# Altium PCB P1.1-worcv.PcbDoc (part 1 of 2) (continued)
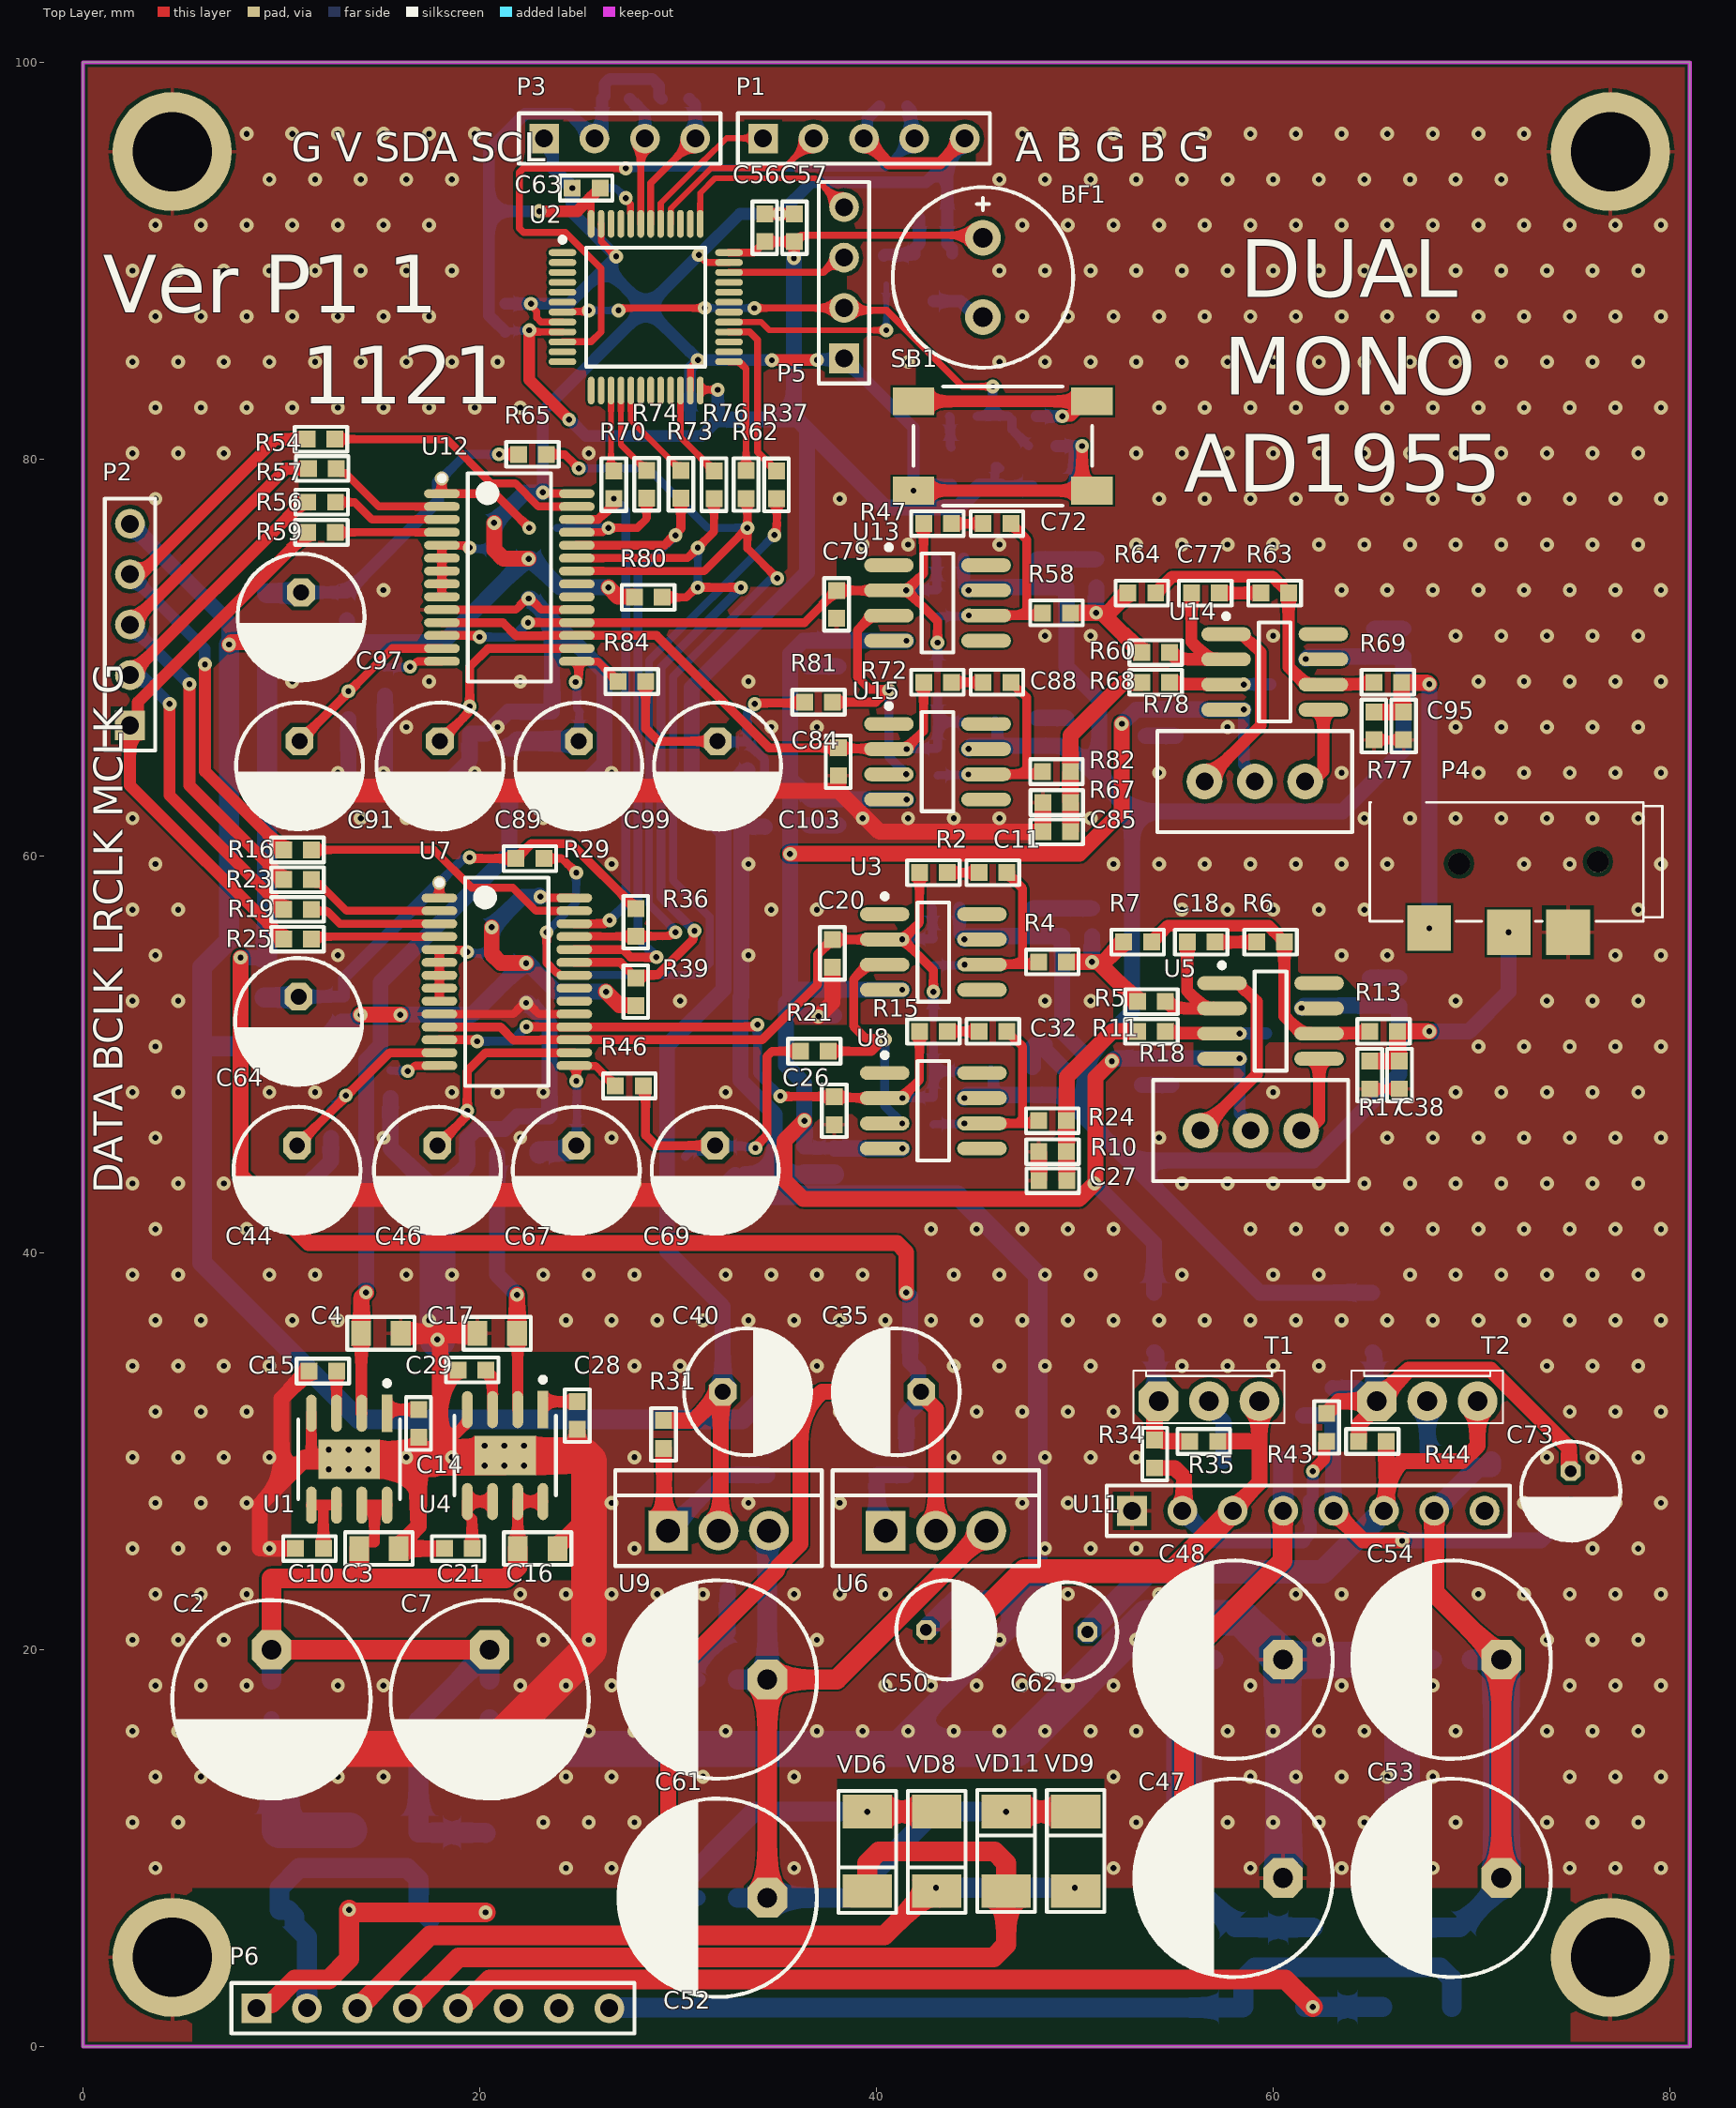
[diagram p0: Top Layer view]
## Components (designator, comment, footprint, x,y, rotation, side; value= is the part's Value field where it differs from the comment) (continued)
C62 "Aluminium capacitor, 10μF, 50V, ±20%, 54mOhm, 14x10x5 mm, -55...+105°C" "CAP: D5C2H11" 49.636,20.9 r180 top value=10μF
C63 "Ceramic capacitor, 0.1u, X7R, ±10%, 16V, 0201, -55...+125°C" "CAP: 0603" 25.369,93.663 r0 top value=0.1u
C64 "Aluminium capacitor, 100μF, 25V, ±20%, 54mOhm, 14x10x5 mm, -55...+105°C" "CAP: D6.3C2.5H11" 10.869,51.663 r270 top value=100μF
C65 "Ceramic capacitor, 0.1u, X7R, ±10%, 16V, 0201, -55...+125°C" "CAP: 0603" 12.993,52.324 r270 bottom value=0.1u
C66 "Ceramic capacitor, 0.1u, X7R, ±10%, 16V, 0201, -55...+125°C" "CAP: 0603" 24.222,46.902 r180 bottom value=0.1u
C67 "Aluminium capacitor, 100μF, 25V, ±20%, 54mOhm, 14x10x5 mm, -55...+105°C" "CAP: D6.3C2.5H11" 24.869,44.163 r270 top value=100μF
C68 "Ceramic capacitor, 0.1u, X7R, ±10%, 16V, 0201, -55...+125°C" "CAP: 0603" 33.369,44.663 r270 bottom value=0.1u
C69 "Aluminium capacitor, 100μF, 25V, ±20%, 54mOhm, 14x10x5 mm, -55...+105°C" "CAP: D6.3C2.5H11" 31.869,44.163 r270 top value=100μF
C70 "Ceramic capacitor, 4.7u, X7R, ±10%, 16V, 0201, -55...+125°C" "CAP: 0603" 48.078,74.254 r90 bottom value=4.7u
C71 "Ceramic capacitor, 0.1u, X7R, ±10%, 16V, 0201, -55...+125°C" "CAP: 0603" 49.578,74.254 r90 bottom value=0.1u
C72 "Ceramic capacitor, 100p, X7R, ±10%, 16V, 0201, -55...+125°C" "CAP: 0603" 46.078,76.754 r180 top value=100p
C73 "Aluminium capacitor, 10μF, 50V, ±20%, 54mOhm, 14x10x5 mm, -55...+105°C" "CAP: D5C2H11" 75,28 r270 top value=10μF
C74 "Ceramic capacitor, 4.7u, X7R, ±10%, 16V, 0201, -55...+125°C" "CAP: 0603" 65.078,70.754 r270 bottom value=4.7u
C75 "Ceramic capacitor, 0.1u, X7R, ±10%, 16V, 0201, -55...+125°C" "CAP: 0603" 66.578,70.754 r270 bottom value=0.1u
C76 "Ceramic capacitor, 0.1u, X7R, ±10%, 16V, 0201, -55...+125°C" "CAP: 0805" 48.869,78.663 r0 bottom value=0.1u
C77 "Ceramic capacitor, 2.7n, X7R, ±10%, 16V, 0201, -55...+125°C" "CAP: 0603" 56.578,73.254 r0 top value=2.7n
C78 "Ceramic capacitor, 5.6n, X7R, ±10%, 16V, 0201, -55...+125°C" "CAP: 0603" 51.078,74.254 r90 bottom value=5.6n
C79 "Ceramic capacitor, open, X7R, ±10%, 16V, 0201, -55...+125°C" "CAP: 0603" 37.99,72.681 r270 top value=open
C80 "Ceramic capacitor, 0.1u, X7R, ±10%, 16V, 0201, -55...+125°C" "CAP: 0603" 38.078,70.254 r270 bottom value=0.1u
C81 "Ceramic capacitor, 4.7u, X7R, ±10%, 16V, 0201, -55...+125°C" "CAP: 0603" 36.578,70.254 r270 bottom value=4.7u
C82 "Ceramic capacitor, 100p, X7R, ±10%, 16V, 0201, -55...+125°C" "CAP: 0603" 43.078,68.754 r90 bottom value=100p
C83 "Ceramic capacitor, 2.7n, X7R, ±10%, 16V, 0201, -55...+125°C" "CAP: 0603" 59.854,67.959 r90 bottom value=2.7n
C84 "Ceramic capacitor, open, X7R, ±10%, 16V, 0201, -55...+125°C" "CAP: 0603" 38.078,64.754 r270 top value=open
C85 "Ceramic capacitor, 5.6n, X7R, ±10%, 16V, 0201, -55...+125°C" "CAP: 0603" 49.091,61.219 r0 top value=5.6n
C86 "Ceramic capacitor, 4.7u, X7R, ±10%, 16V, 0201, -55...+125°C" "CAP: 0603" 48.078,66.254 r90 bottom value=4.7u
C87 "Ceramic capacitor, 0.1u, X7R, ±10%, 16V, 0201, -55...+125°C" "CAP: 0603" 49.578,66.254 r90 bottom value=0.1u
C88 "Ceramic capacitor, 100p, X7R, ±10%, 16V, 0201, -55...+125°C" "CAP: 0603" 46.078,68.754 r180 top value=100p
C89 "Aluminium capacitor, 100μF, 25V, ±20%, 54mOhm, 14x10x5 mm, -55...+105°C" "CAP: D6.3C2.5H11" 17.994,64.538 r270 top value=100μF
C90 "Ceramic capacitor, 0.1u, X7R, ±10%, 16V, 0201, -55...+125°C" "CAP: 0603" 13.38,67.609 r270 bottom value=0.1u
C91 "Aluminium capacitor, 100μF, 25V, ±20%, 54mOhm, 14x10x5 mm, -55...+105°C" "CAP: D6.3C2.5H11" 10.918,64.541 r270 top value=100μF
C92 "Ceramic capacitor, 0.1u, X7R, ±10%, 16V, 0201, -55...+125°C" "CAP: 0603" 19.494,66.838 r270 bottom value=0.1u
C93 "Ceramic capacitor, 0.1u, X7R, ±10%, 16V, 0201, -55...+125°C" "CAP: 0603" 53.578,66.754 r270 bottom value=0.1u
C94 "Ceramic capacitor, 4.7u, X7R, ±10%, 16V, 0201, -55...+125°C" "CAP: 0603" 55.078,66.754 r270 bottom value=4.7u
C95 "Ceramic capacitor, 3.9n, X7R, ±10%, 16V, 0201, -55...+125°C" "CAP: 0603" 66.578,66.554 r90 top value=3.9n
C96 "Ceramic capacitor, 0.1u, X7R, ±10%, 16V, 0201, -55...+125°C" "CAP: 0603" 13.298,72.588 r270 bottom value=0.1u
C97 "Aluminium capacitor, 100μF, 25V, ±20%, 54mOhm, 14x10x5 mm, -55...+105°C" "CAP: D6.3C2.5H11" 10.994,72.038 r270 top value=100μF
C98 "Ceramic capacitor, 0.1u, X7R, ±10%, 16V, 0201, -55...+125°C" "CAP: 0603" 24.347,67.277 r180 bottom value=0.1u
C99 "Aluminium capacitor, 100μF, 25V, ±20%, 54mOhm, 14x10x5 mm, -55...+105°C" "CAP: D6.3C2.5H11" 24.994,64.538 r270 top value=100μF
C100 "Ceramic capacitor, 0.1u, X7R, ±10%, 16V, 0201, -55...+125°C" "CAP: 0603" 38.078,62.254 r270 bottom value=0.1u
C101 "Ceramic capacitor, 4.7u, X7R, ±10%, 16V, 0201, -55...+125°C" "CAP: 0603" 36.578,62.254 r270 bottom value=4.7u
C102 "Ceramic capacitor, 0.1u, X7R, ±10%, 16V, 0201, -55...+125°C" "CAP: 0603" 33.494,65.038 r270 bottom value=0.1u
C103 "Aluminium capacitor, 100μF, 25V, ±20%, 54mOhm, 14x10x5 mm, -55...+105°C" "CAP: D6.3C2.5H11" 31.994,64.538 r270 top value=100μF
IC1 "MAX809SEUR" SOT95P230X112-3N 44.869,79.663 r0 bottom
L1 "Fixed inductor, 100nH, ±5%, 0201, 80mA, -55...+125°C" "IND: 0805" 22.34,53.603 r270 bottom value=100nH
L2 "Fixed inductor, 100nH, ±5%, 0201, 80mA, -55...+125°C" "IND: 0805" 22,45 r180 bottom value=100nH
L3 "Fixed inductor, 100nH, ±5%, 0201, 80mA, -55...+125°C" "IND: 0805" 9.154,53.875 r90 bottom value=100nH
L4 "Fixed inductor, 100nH, ±5%, 0201, 80mA, -55...+125°C" "IND: 0805" 22.465,73.978 r270 bottom value=100nH
L5 "Fixed inductor, 100nH, ±5%, 0201, 80mA, -55...+125°C" "IND: 0805" 21.5,64.5 r270 bottom value=100nH
L6 "Fixed inductor, 100nH, ±5%, 0201, 80mA, -55...+125°C" "IND: 0805" 9.279,72.244 r270 bottom value=100nH
P1 "ENC" HDR1X5 34.289,96.163 r0 top
P2 "I2S" HDR1X5 2.369,66.583 r90 top
P3 "I2C" HDR1X4 23.249,96.163 r0 top
P4 "SJ2-3573A2-SMT-TR" CUI_SJ2-3573A2-SMT-TR 71.769,59.713 r180 top
P5 "SW" HDR1X4 38.369,85.083 r90 top
P6 "Header 8" HDR1X8 8.752,1.929 r0 top
R1 "Resistor film, 1k, ±5%, 0201, 0.05W, -55...+125°C" "RES: 0603" 42.869,55.163 r270 bottom value=1k
R2 "Resistor film, 100r, ±5%, 0201, 0.05W, -55...+125°C" "RES: 0603" 42.869,59.163 r0 top value=100r
R3 "Resistor film, 1k, ±5%, 0201, 0.05W, -55...+125°C" "RES: 0603" 43.482,57.398 r180 bottom value=1k
R4 "Resistor film, 680r, ±5%, 0201, 0.05W, -55...+125°C" "RES: 0603" 48.869,54.663 r0 top value=680r
R5 "Resistor film, 324r, ±5%, 0201, 0.05W, -55...+125°C" "RES: 0603" 53.869,52.663 r180 top value=324r
R6 "Resistor film, 100r, ±5%, 0201, 0.05W, -55...+125°C" "RES: 0603" 59.869,55.663 r180 top value=100r
R7 "Resistor film, 226r, ±5%, 0201, 0.05W, -55...+125°C" "RES: 0603" 53.169,55.663 r0 top value=226r
R8 "Resistor film, 4k7, ±5%, 0201, 0.05W, -55...+125°C" "RES: 0603" 29.869,98.163 r180 bottom value=4k7
R9 "Resistor film, 1k, ±5%, 0201, 0.05W, -55...+125°C" "RES: 0603" 42.869,47.163 r270 bottom value=1k
R10 "Resistor film, 226r, ±5%, 0201, 0.05W, -55...+125°C" "RES: 0603" 48.881,45.1 r180 top value=226r
R11 "Resistor film, 324r, ±5%, 0201, 0.05W, -55...+125°C" "RES: 0603" 53.869,51.163 r0 top value=324r
R12 "Resistor film, 4k7, ±5%, 0201, 0.05W, -55...+125°C" "RES: 0603" 26.869,98.163 r180 bottom value=4k7
R13 "Resistor film, 330r, ±5%, 0201, 0.05W, -55...+125°C" "RES: 0603" 65.569,51.163 r0 top value=330r
R14 "Resistor film, 1k, ±5%, 0201, 0.05W, -55...+125°C" "RES: 0603" 45.069,49.163 r180 bottom value=1k
R15 "Resistor film, 100r, ±5%, 0201, 0.05W, -55...+125°C" "RES: 0603" 42.869,51.163 r0 top value=100r
R16 "Resistor film, 100r, ±5%, 0201, 0.05W, -55...+125°C" "RES: 0603" 10.813,60.311 r0 top value=100r
R17 "Resistor film, open, ±5%, 0201, 0.05W, -55...+125°C" "RES: 0603" 64.869,48.963 r90 top value=open
R18 "Resistor film, 20k, ±10%, 3296W, 0.5W, -55...+125°C" "RES: 3296W" 56.329,46.163 r0 top value=20k
R19 "Resistor film, 100r, ±5%, 0201, 0.05W, -55...+125°C" "RES: 0603" 10.813,57.311 r0 top value=100r
R20 "Resistor film, 240r, ±5%, 0201, 0.05W, -55...+125°C" "RES: 0603" 41.5,29.5 r90 bottom value=240r
R21 "Resistor film, 400r, ±5%, 0201, 0.05W, -55...+125°C" "RES: 0603" 36.869,50.163 r0 top value=400r
R22 "Resistor film, 720r, ±5%, 0201, 0.05W, -55...+125°C" "RES: 0603" 40,29.5 r90 bottom value=720r
R23 "Resistor film, 100r, ±5%, 0201, 0.05W, -55...+125°C" "RES: 0603" 10.813,58.811 r0 top value=100r
R24 "Resistor film, 680r, ±5%, 0201, 0.05W, -55...+125°C" "RES: 0603" 48.869,46.663 r0 top value=680r
R25 "Resistor film, 100r, ±5%, 0201, 0.05W, -55...+125°C" "RES: 0603" 10.813,55.811 r0 top value=100r
R26 "Resistor film, 1K, ±5%, 0201, 0.05W, -55...+125°C" "RES: 0603" 40.5,89.5 r90 bottom value=1K
R27 "Resistor film, 20k, ±5%, 0201, 0.05W, -55...+125°C" "RES: 0603" 20.602,55.713 r270 bottom value=20k
R28 "Resistor film, 10K, ±5%, 0201, 0.05W, -55...+125°C" "RES: 0603" 42.869,92.163 r0 bottom value=10K
R29 "Resistor film, 20k, ±5%, 0201, 0.05W, -55...+125°C" "RES: 0603" 22.532,59.871 r180 top value=20k
R30 "Resistor film, 2.2R, ±5%, 0201, 0.05W, -55...+125°C" "RES: 1206" 54,36.5 r270 bottom value=2.2R
R31 "Resistor film, 240r, ±5%, 0201, 0.05W, -55...+125°C" "RES: 0603" 29.271,30.853 r90 top value=240r
R32 "Resistor film, 400r, ±5%, 0201, 0.05W, -55...+125°C" "RES: 0603" 34.5,29.5 r90 bottom value=400r
R33 "Resistor film, 4.7R, ±5%, 0201, 0.05W, -55...+125°C" "RES: 1206" 59,29.5 r0 bottom value=4.7R
R34 "Resistor film, 10k, ±5%, 0201, 0.05W, -55...+125°C" "RES: 0603" 54.027,29.862 r270 top value=10k
R35 "Resistor film, 1k, ±5%, 0201, 0.05W, -55...+125°C" "RES: 0603" 56.5,30.5 r0 top value=1k
R36 "Resistor film, 20k, ±5%, 0201, 0.05W, -55...+125°C" "RES: 0603" 27.869,56.663 r270 top value=20k
R37 "Resistor film, 100r, ±5%, 0201, 0.05W, -55...+125°C" "RES: 0603" 34.961,78.705 r270 top value=100r
R38 "Resistor film, 2k5, ±5%, 0201, 0.05W, -55...+125°C" "RES: 0603" 15.5,48.5 r270 bottom value=2k5
R39 "Resistor film, 20k, ±5%, 0201, 0.05W, -55...+125°C" "RES: 0603" 27.869,53.163 r90 top value=20k
R40 "Resistor film, 1k8, ±5%, 0201, 0.05W, -55...+125°C" "RES: 0603" 61.5,32.5 r270 bottom value=1k8
R41 "Resistor film, 1k, ±5%, 0201, 0.05W, -55...+125°C" "RES: 0603" 43.078,72.754 r270 bottom value=1k
R42 "Resistor film, 2k8, ±5%, 0201, 0.05W, -55...+125°C" "RES: 0603" 30.369,44.163 r90 bottom value=2k8
R43 "Resistor film, 10k, ±5%, 0201, 0.05W, -55...+125°C" "RES: 0603" 62.691,31.208 r90 top value=10k
R44 "Resistor film, 1k, ±5%, 0201, 0.05W, -55...+125°C" "RES: 0603" 65,30.5 r180 top value=1k
R45 "Resistor film, 10k, ±5%, 0201, 0.05W, -55...+125°C" "RES: 0603" 63,32.5 r90 bottom value=10k
R46 "Resistor film, 2k2, ±5%, 0201, 0.05W, -55...+125°C" "RES: 0603" 27.542,48.419 r0 top value=2k2
R47 "Resistor film, 100r, ±5%, 0201, 0.05W, -55...+125°C" "RES: 0603" 43.078,76.754 r0 top value=100r
R48 "Resistor film, 1k, ±5%, 0201, 0.05W, -55...+125°C" "RES: 0603" 43.691,74.989 r180 bottom value=1k
R49 "Resistor film, 2.2R, ±5%, 0201, 0.05W, -55...+125°C" "RES: 1206" 65,36.5 r270 bottom value=2.2R
R50 "Resistor film, 4.7R, ±5%, 0201, 0.05W, -55...+125°C" "RES: 1206" 69.5,29.5 r0 bottom value=4.7R
R51 "Resistor film, 20k, ±5%, 0201, 0.05W, -55...+125°C" "RES: 0603" 25.369,93.663 r180 bottom value=20k
R52 "Resistor film, 1k, ±5%, 0201, 0.05W, -55...+125°C" "RES: 0603" 47.369,82.163 r0 bottom value=1k
R53 "Resistor film, 4k7, ±5%, 0201, 0.05W, -55...+125°C" "RES: 0603" 44.369,82.163 r180 bottom value=4k7
R54 "Resistor film, 100r, ±5%, 0201, 0.05W, -55...+125°C" "RES: 0603" 12.001,81.007 r0 top value=100r
R55 "Resistor film, 100k, ±5%, 0201, 0.05W, -55...+125°C" "RES: 0603" 48.369,80.663 r180 bottom value=100k
R56 "Resistor film, 100r, ±5%, 0201, 0.05W, -55...+125°C" "RES: 0603" 12.032,77.836 r0 top value=100r
R57 "Resistor film, 100r, ±5%, 0201, 0.05W, -55...+125°C" "RES: 0603" 12.062,79.532 r0 top value=100r
R58 "Resistor film, 680r, ±5%, 0201, 0.05W, -55...+125°C" "RES: 0603" 49.078,72.254 r0 top value=680r
R59 "Resistor film, 100r, ±5%, 0201, 0.05W, -55...+125°C" "RES: 0603" 12.018,76.313 r0 top value=100r
R60 "Resistor film, 324r, ±5%, 0201, 0.05W, -55...+125°C" "RES: 0603" 54.078,70.254 r180 top value=324r
R61 "Resistor film, 20k, ±5%, 0201, 0.05W, -55...+125°C" "RES: 0603" 20.727,76.088 r270 bottom value=20k
R62 "Resistor film, 1k, ±5%, 0201, 0.05W, -55...+125°C" "RES: 0603" 33.429,78.721 r90 top value=1k
R63 "Resistor film, 100r, ±5%, 0201, 0.05W, -55...+125°C" "RES: 0603" 60.078,73.254 r180 top value=100r
R64 "Resistor film, 226r, ±5%, 0201, 0.05W, -55...+125°C" "RES: 0603" 53.378,73.254 r0 top value=226r
R65 "Resistor film, 20k, ±5%, 0201, 0.05W, -55...+125°C" "RES: 0603" 22.657,80.246 r180 top value=20k
R66 "Resistor film, 1k, ±5%, 0201, 0.05W, -55...+125°C" "RES: 0603" 43.078,64.754 r270 bottom value=1k
R67 "Resistor film, 226r, ±5%, 0201, 0.05W, -55...+125°C" "RES: 0603" 49.09,62.691 r180 top value=226r
R68 "Resistor film, 324r, ±5%, 0201, 0.05W, -55...+125°C" "RES: 0603" 54.078,68.754 r0 top value=324r
R69 "Resistor film, 330r, ±5%, 0201, 0.05W, -55...+125°C" "RES: 0603" 65.778,68.754 r0 top value=330r
R70 "Resistor film, 100r, ±5%, 0201, 0.05W, -55...+125°C" "RES: 0603" 26.76,78.717 r270 top value=100r
R71 "Resistor film, 1k, ±5%, 0201, 0.05W, -55...+125°C" "RES: 0603" 45.278,66.754 r180 bottom value=1k
R72 "Resistor film, 100r, ±5%, 0201, 0.05W, -55...+125°C" "RES: 0603" 43.078,68.754 r0 top value=100r
R73 "Resistor film, 100r, ±5%, 0201, 0.05W, -55...+125°C" "RES: 0603" 30.142,78.737 r270 top value=100r
R74 "Resistor film, 100r, ±5%, 0201, 0.05W, -55...+125°C" "RES: 0603" 28.416,78.737 r270 top value=100r
R75 "Resistor film, 20k, ±5%, 0201, 0.05W, -55...+125°C" "RES: 0603" 23.194,76.538 r0 bottom value=20k
R76 "Resistor film, 1k, ±5%, 0201, 0.05W, -55...+125°C" "RES: 0603" 31.81,78.717 r270 top value=1k
R77 "Resistor film, open, ±5%, 0201, 0.05W, -55...+125°C" "RES: 0603" 65.078,66.554 r90 top value=open
R78 "Resistor film, 20k, ±10%, 3296W, 0.5W, -55...+125°C" "RES: 3296W" 56.538,63.754 r0 top value=20k
R79 "Resistor film, 2k5, ±5%, 0201, 0.05W, -55...+125°C" "RES: 0603" 15.222,68.794 r270 bottom value=2k5
R80 "Resistor film, 20k, ±5%, 0201, 0.05W, -55...+125°C" "RES: 0603" 28.494,73.038 r0 top value=20k
R81 "Resistor film, 400r, ±5%, 0201, 0.05W, -55...+125°C" "RES: 0603" 37.078,67.754 r0 top value=400r
R82 "Resistor film, 680r, ±5%, 0201, 0.05W, -55...+125°C" "RES: 0603" 49.078,64.254 r0 top value=680r
R83 "Resistor film, 2k8, ±5%, 0201, 0.05W, -55...+125°C" "RES: 0603" 34.369,62.163 r90 bottom value=2k8
R84 "Resistor film, 2k2, ±5%, 0201, 0.05W, -55...+125°C" "RES: 0603" 27.667,68.794 r0 top value=2k2
SB1 "Tactile button, 6x6mm" "BUT: 6x6 SMD" 46.369,80.663 r0 top
T1 "BD140C" "TO126V A" 56.764,32.522 r0 top
T2 "BD139C" "TO126V A" 67.764,32.522 r0 top
U1 "ADM7150ARDZ-3.3" Analog_Devices_Inc_RD-8-2_0 13.418,29.602 r270 top value=SKIP
U2 "" 48-LQFP 28.369,87.663 r0 top
U3 "AD797" ADI-R-8_M 42.869,55.163 r0 top
U4 "ADM7150ARDZ-3.3" Analog_Devices_Inc_RD-8-2_0 21.283,29.785 r270 top value=SKIP
U5 "AD797" ADI-R-8_M 59.868,51.688 r0 top
U6 "LM317" TO-220-V 43,26 r0 top
U7 "AD1955ARSZ" ADI-RS-28_L 21.369,53.663 r0 top
U8 "AD797" ADI-R-8_M 42.869,47.163 r0 top
U9 "LM317" TO-220-V 32.04,26 r0 top
U11 "M5230L" HDR1X8 52.88,27 r0 top
U12 "AD1955ARSZ" ADI-RS-28_L 21.494,74.038 r0 top
U13 "AD797" ADI-R-8_M 43.078,72.754 r0 top
U14 "AD797" ADI-R-8_M 60.077,69.279 r0 top
U15 "AD797" ADI-R-8_M 43.078,64.754 r0 top
VD1 "Schottky diode, 80V, 500mA, 1V, 15pF, SOD-123, -55...+150°C" "DIODE: SMA" 9.918,8.895 r270 bottom
VD2 "Schottky diode, 80V, 500mA, 1V, 15pF, SOD-123, -55...+150°C" "DIODE: SMA" 13.418,8.895 r270 bottom
VD3 "Schottky diode, 80V, 500mA, 1V, 15pF, SOD-123, -55...+150°C" "DIODE: SMA" 20.297,8.763 r90 bottom
VD4 "Schottky diode, 80V, 500mA, 1V, 15pF, SOD-123, -55...+150°C" "DIODE: SMA" 16.918,8.795 r90 bottom
VD5 "Schottky diode, 80V, 500mA, 1V, 15pF, SOD-123, -55...+150°C" "DIODE: SMA" 58.5,4 r270 bottom
VD6 "Schottky diode, 80V, 500mA, 1V, 15pF, SOD-123, -55...+150°C" "DIODE: SMA" 39.538,9.838 r270 top
VD7 "Schottky diode, 80V, 500mA, 1V, 15pF, SOD-123, -55...+150°C" "DIODE: SMA" 62,4 r270 bottom
VD8 "Schottky diode, 80V, 500mA, 1V, 15pF, SOD-123, -55...+150°C" "DIODE: SMA" 43.038,9.838 r270 top
VD9 "Schottky diode, 80V, 500mA, 1V, 15pF, SOD-123, -55...+150°C" "DIODE: SMA" 50.038,9.838 r90 top
VD10 "Schottky diode, 80V, 500mA, 1V, 15pF, SOD-123, -55...+150°C" "DIODE: SMA" 65.5,4 r90 bottom
VD11 "Schottky diode, 80V, 500mA, 1V, 15pF, SOD-123, -55...+150°C" "DIODE: SMA" 46.538,9.838 r90 top
VD12 "Schottky diode, 80V, 500mA, 1V, 15pF, SOD-123, -55...+150°C" "DIODE: SMA" 69,4 r90 bottom
VT1 "NPN transistor, 45V, 100mA, 100MHz, 300mW, 0.6V, 420, SOT-23, -55...+125°C" SOT23 42.869,89.163 r270 bottom
